# Altium PCB HTBBMSALL4G.PcbDoc (part 1 of 4) (continued)
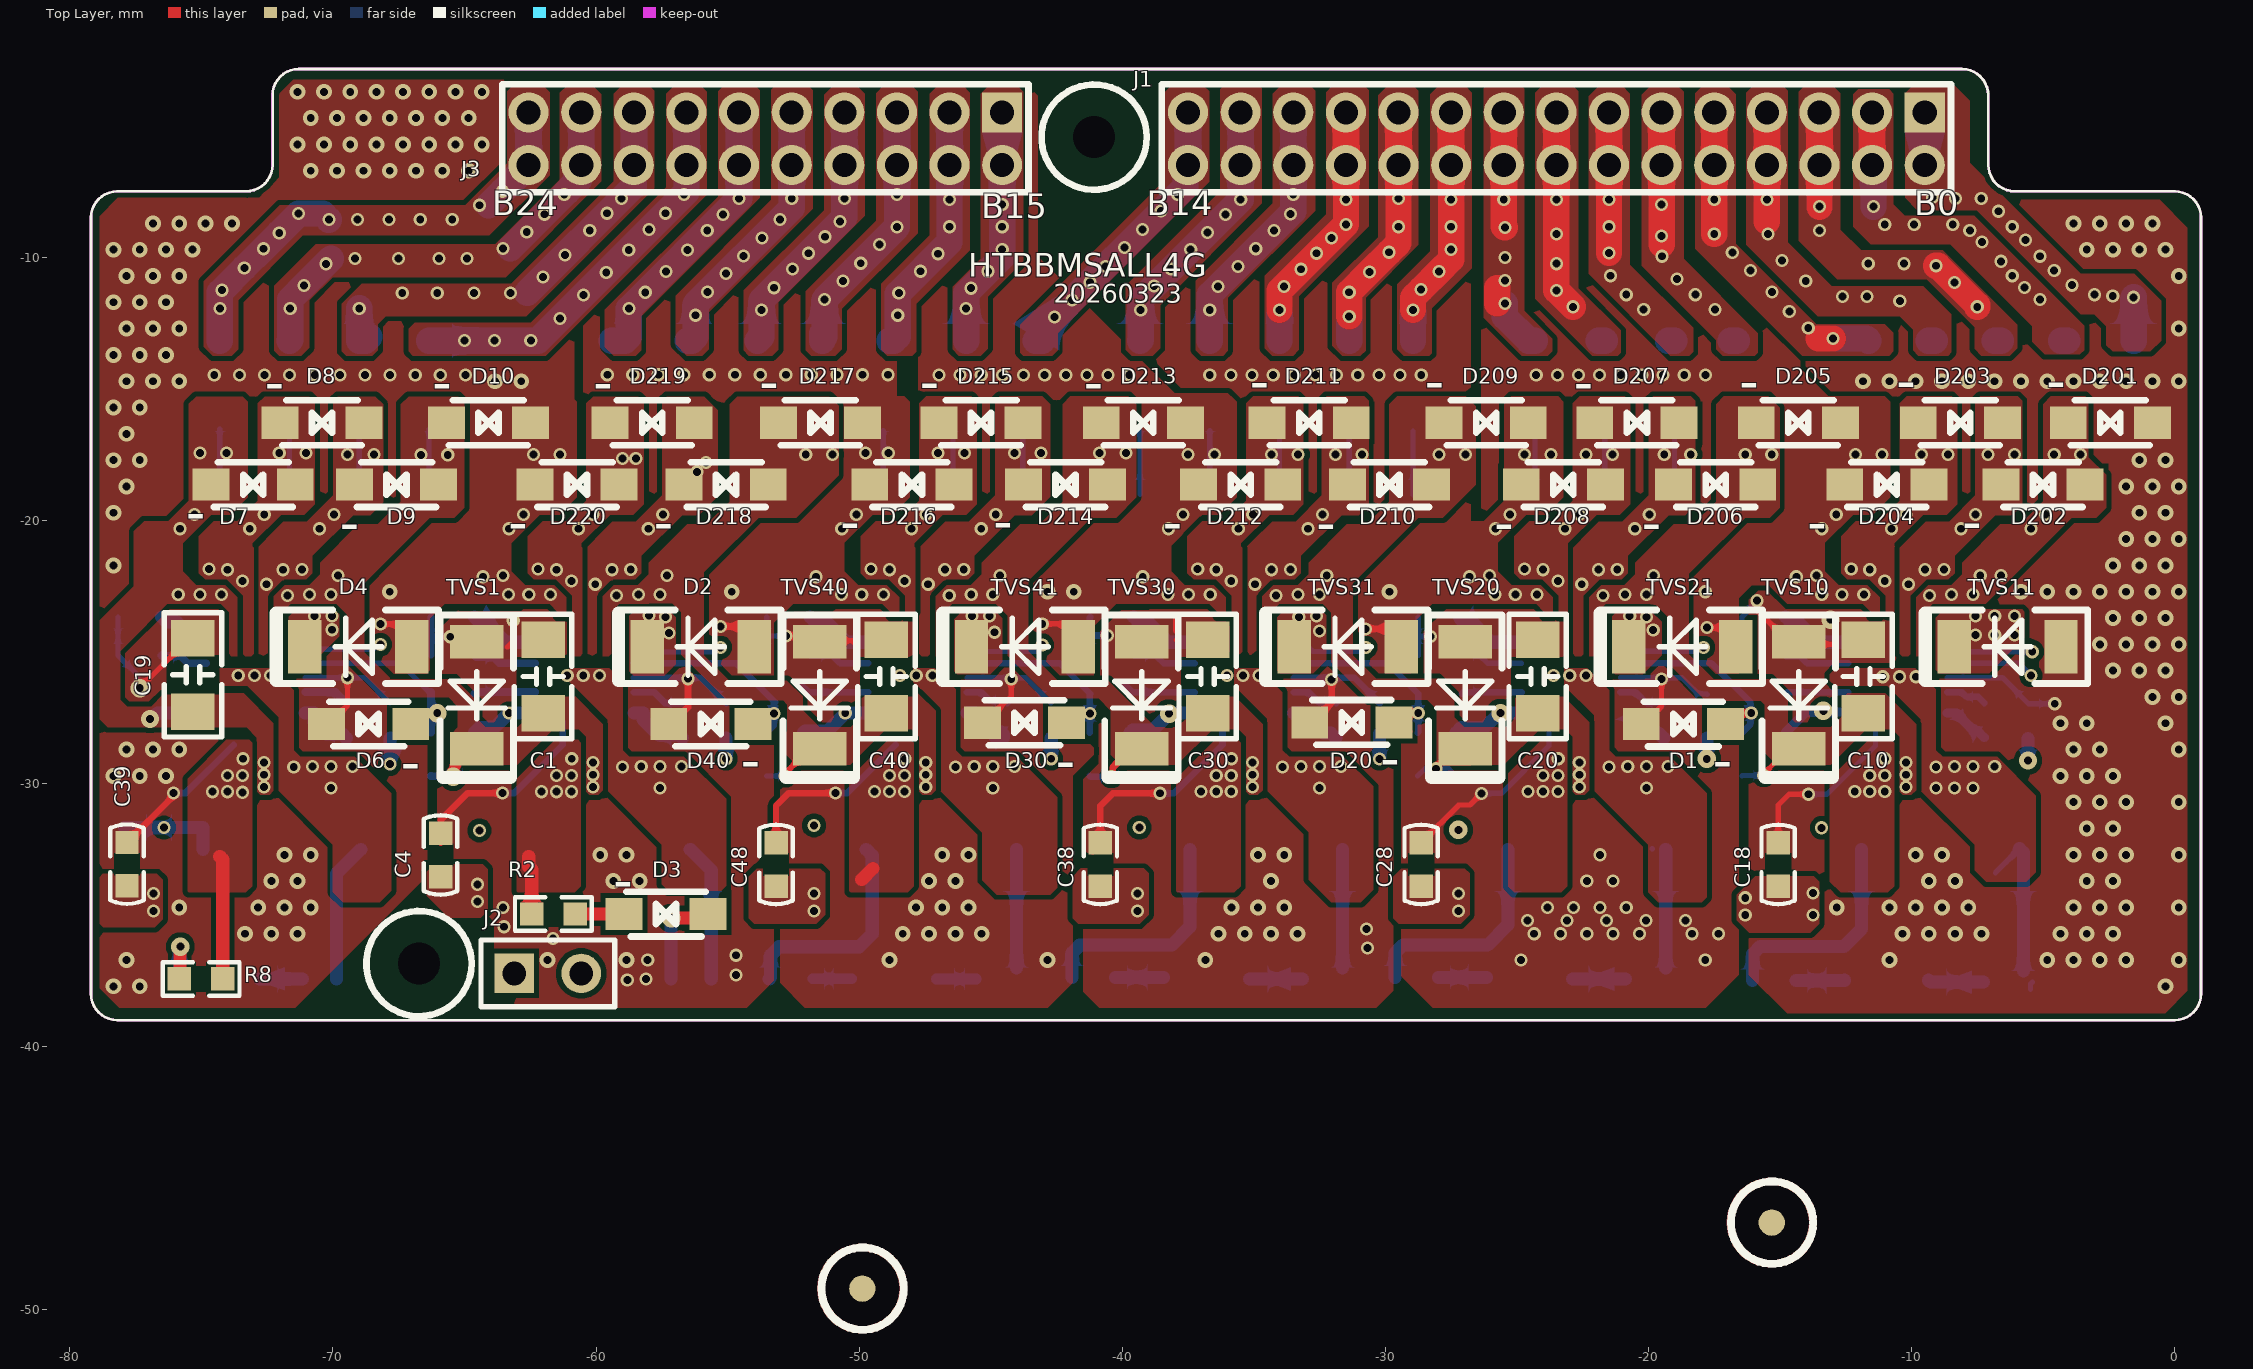
[diagram p0: Top Layer view]
## Components (designator, comment, footprint, x,y, rotation, side; value= is the part's Value field where it differs from the comment)
C1 "4.7uF/50V C1206" C1206#1 -62.012,-24.546 r270 top
C2 "10uF/16V  C0805" C0805 -61.642,-21.053 r90 bottom
C3 "100nF/50V C0603" C0603#1 -55.059,-28.285 r180 bottom
C4 "1nF/50V C0603" C0603#1 -65.91,-31.898 r270 top
C5 "10uF/16V  C0805" C0805 -58.992,-21.053 r90 bottom
C6 "10uF/16V  C0805" C0805 -56.342,-21.053 r90 bottom
C7 "10uF/16V  C0805" C0805 -53.9,-21.053 r90 bottom
C8 "1uF/25V C0603" C0603#2 -55.059,-26.949 r180 bottom
C9 "10uF/16V  C0805" C0805 -51.734,-21.053 r90 bottom
C10 "4.7uF/50V C1206" C1206#2 -11.833,-24.546 r270 top
C11 "10uF/16V C0805" C0805 -3.86,-21.053 r90 bottom
C12 "10uF/16V C0805" C0805 -6.561,-21.053 r90 bottom
C13 "10uF/16V C0805" C0805 -9.211,-21.053 r90 bottom
C14 "10uF/16V C0805" C0805 -11.861,-21.053 r90 bottom
C15 "10uF/16V C0805" C0805 -14.511,-21.053 r90 bottom
C16 "1uF/25V C0603" C0603#1 -5.585,-26.949 r180 bottom
C17 "100nF/50V C0603" C0603#1 -5.585,-28.285 r180 bottom
C18 "1nF/50V C0603" C0603#1 -15.069,-32.257 r270 top
C19 "4.7uF/50V C1206" C1206#1 -75.322,-24.482 r270 top
C20 "4.7uF/50V C1206" C1206#1 -24.211,-24.546 r270 top
C21 "10uF/16V  C0805" C0805 -16.639,-21.053 r90 bottom
C22 "10uF/16V  C0805" C0805 -19.013,-21.053 r90 bottom
C23 "10uF/16V  C0805" C0805 -21.663,-21.053 r90 bottom
C24 "10uF/16V  C0805" C0805 -24.313,-21.053 r90 bottom
C25 "10uF/16V  C0805" C0805 -26.963,-21.053 r90 bottom
C26 "1uF/25V C0603" C0603#1 -17.769,-26.949 r180 bottom
C27 "100nF/50V C0603" C0603#1 -17.769,-28.285 r180 bottom
C28 "1nF/50V C0603" C0603#1 -28.64,-32.257 r270 top
C29 "10uF/16V  C0805" C0805 -74.3,-21 r90 bottom
C30 "4.7uF/50V C1206" C1206#1 -36.754,-24.546 r270 top
C31 "10uF/16V  C0805" C0805 -28.97,-21.053 r90 bottom
C32 "10uF/16V  C0805" C0805 -31.376,-21.053 r90 bottom
C33 "10uF/16V  C0805" C0805 -34.026,-21.053 r90 bottom
C34 "10uF/16V  C0805" C0805 -36.676,-21.053 r90 bottom
C35 "10uF/16V  C0805" C0805 -39.326,-21.053 r90 bottom
C36 "1uF/25V C0603" C0603#1 -30.22,-26.949 r180 bottom
C37 "100nF/50V C0603" C0603#1 -30.22,-28.285 r180 bottom
C38 "1nF/50V C0603" C0603#1 -40.833,-32.255 r270 top
C39 "1nF/50V C0603" C0603#1 -77.828,-32.25 r270 top
C40 "4.7uF/50V C1206" C1206#1 -48.966,-24.546 r270 top
C41 "10uF/16V  C0805" C0805 -41.335,-21.053 r90 bottom
C42 "10uF/16V  C0805" C0805 -43.784,-21.053 r90 bottom
C43 "10uF/16V  C0805" C0805 -46.434,-21.053 r90 bottom
C44 "10uF/16V  C0805" C0805 -49.084,-21.053 r90 bottom
C45 "10uF/16V  C0805" C0805 -71.65,-21 r90 bottom
C46 "1uF/25V C0603" C0603#2 -42.721,-26.949 r180 bottom
C47 "100nF/50V C0603" C0603#1 -42.721,-28.285 r180 bottom
C48 "1nF/50V C0603" C0603#1 -53.159,-32.257 r270 top
C49 "100nF/50V C0603" C0603#1 -67.837,-28.285 r180 bottom
C50 "10uF/16V  C0805" C0805 -69,-21 r90 bottom
C51 "10uF/16V  C0805" C0805 -66.35,-21 r90 bottom
C52 "1uF/25V C0603" C0603#1 -67.837,-26.949 r180 bottom
C53 "10uF/16V  C0805" C0805 -64.292,-21 r90 bottom
D1 "B0540W-7-F" SOD-123FL -18.839,-28.456 r0 top
D2 "SMAFJ20CA" SMAF/DO-214AD -56.022,-24.809 r0 top
D3 "B0540W-7-F" SOD-123FL -57.508,-35.675 r0 top
D4 "SMAFJ20CA" SMAF/DO-214AD -69.037,-24.809 r0 top
D5 "B0540W-7-F" SOD-123FL -74.559,-36.733 r0 bottom
D6 "B0540W-7-F" SOD-123FL -68.813,-28.452 r0 top
D7 "1N5819HW-7-F" SOD-123FL -72.868,-17.942 r180 top
D8 "1N5819HW-7-F" SOD-123FL -70.251,-15.59 r180 top
D9 "1N5819HW-7-F" SOD-123FL -67.419,-17.942 r180 top
D10 "1N5819HW-7-F" SOD-123FL -63.925,-15.59 r180 top
D11 "B0540W-7-F" SOD-123FL -11.122,-36.78 r0 bottom
D20 "B0540W-7-F" SOD-123FL -31.444,-28.391 r0 top
D21 "B0540W-7-F" SOD-123FL -24.722,-36.669 r0 bottom
D30 "B0540W-7-F" SOD-123FL -43.883,-28.404 r0 top
D31 "B0540W-7-F" SOD-123FL -36.923,-36.718 r0 bottom
D40 "B0540W-7-F" SOD-123FL -55.804,-28.452 r0 top
D41 "B0540W-7-F" SOD-123FL -48.851,-36.718 r0 bottom
D201 "1N5819HW-7-F" SOD-123FL -2.28,-15.59 r180 top
D202 "1N5819HW-7-F" SOD-123FL -4.836,-17.942 r180 top
D203 "1N5819HW-7-F" SOD-123FL -7.98,-15.59 r180 top
D204 "1N5819HW-7-F" SOD-123FL -10.773,-17.942 r180 top
D205 "1N5819HW-7-F" SOD-123FL -14.136,-15.59 r180 top
D206 "1N5819HW-7-F" SOD-123FL -17.278,-17.942 r180 top
D207 "1N5819HW-7-F" SOD-123FL -20.273,-15.59 r180 top
D208 "1N5819HW-7-F" SOD-123FL -23.071,-17.942 r180 top
D209 "1N5819HW-7-F" SOD-123FL -26,-15.59 r180 top
D210 "1N5819HW-7-F" SOD-123FL -29.678,-17.942 r180 top
D211 "1N5819HW-7-F" SOD-123FL -32.732,-15.59 r180 top
D212 "1N5819HW-7-F" SOD-123FL -35.333,-17.942 r180 top
D213 "1N5819HW-7-F" SOD-123FL -39.034,-15.59 r180 top
D214 "1N5819HW-7-F" SOD-123FL -41.991,-17.942 r180 top
D215 "1N5819HW-7-F" SOD-123FL -45.203,-15.59 r180 top
D216 "1N5819HW-7-F" SOD-123FL -47.829,-17.942 r180 top
D217 "1N5819HW-7-F" SOD-123FL -51.306,-15.59 r180 top
D218 "1N5819HW-7-F" SOD-123FL -54.893,-17.942 r180 top
D219 "1N5819HW-7-F" SOD-123FL -57.702,-15.59 r180 top
D220 "1N5819HW-7-F" SOD-123FL -60.557,-17.942 r180 top
F0 "0458008.DR" F1206#1 -1.561,-14.571 r270 bottom
F1 "0458008.DR" F1206#1 -4.08,-14.571 r270 bottom
F2 "0458008.DR" F1206#1 -6.598,-14.571 r270 bottom
F3 "0458008.DR" F1206#1 -9.117,-14.571 r270 bottom
F4 "0458008.DR" F1206#1 -11.635,-14.571 r270 bottom
F5 "0458008.DR" F1206#2 -16.639,-14.571 r270 bottom
F6 "0458008.DR" F1206#2 -19.013,-14.571 r270 bottom
F7 "0458008.DR" F1206#2 -21.663,-14.571 r270 bottom
F8 "0458008.DR" F1206#2 -24.313,-14.571 r270 bottom
F9 "0458008.DR" F1206#2 -28.953,-14.571 r270 bottom
F10 "0458008.DR" F1206#2 -31.376,-14.571 r270 bottom
F11 "0458008.DR" F1206#2 -34.026,-14.571 r270 bottom
F12 "0458008.DR" F1206#2 -36.676,-14.571 r270 bottom
F13 "0458008.DR" F1206#2 -39.326,-14.571 r270 bottom
F14 "0458008.DR" F1206#2 -43.284,-14.571 r270 bottom
F15 "0458008.DR" F1206#2 -45.934,-14.571 r270 bottom
F16 "0458008.DR" F1206#2 -48.584,-14.571 r270 bottom
F17 "0458008.DR" F1206#2 -51.4,-14.571 r270 bottom
F18 "0458008.DR" F1206#2 -53.842,-14.571 r270 bottom
F19 "0458008.DR" F1206#2 -56.492,-14.571 r270 bottom
F20 "0458008.DR" F1206#2 -59.142,-14.571 r270 bottom
F21 "0458008.DR" F1206#2 -74.3,-14.571 r270 bottom
F22 "0458008.DR" F1206#2 -71.65,-14.571 r270 bottom
F23 "0458008.DR" F1206#2 -69,-14.571 r270 bottom
F24 "0458008.DR" F1206#2 -66.35,-14.571 r270 bottom
J1 "Pin HDR2X15" PH2.0-15*2 -23.5,-5.5 r180 top
J2 "Header 2" HDR1X2 -63.105,-37.226 r0 top
J3 "Pin HDR2X10" PH2.0-10*2 -53.564,-5.5 r180 top
L1 "4.7uH" L7*6.6 -8.9,-32.515 r180 bottom
L2 "4.7uH" L7*6.6 -22.345,-32.515 r180 bottom
L3 "4.7uH" L7*6.6 -34.431,-32.514 r180 bottom
L4 "4.7uH" L7*6.6 -46.739,-32.514 r180 bottom
L5 "4.7uH" L7*6.6 -59.418,-32.515 r180 bottom
L6 "4.7uH" L7*6.6 -71.941,-32.514 r180 bottom
LED1 "XL-1608SURC-06" LED0603R -57.147,-37.439 r0 bottom
LED2 "XL-1608SURC-06" LED0603R -71.397,-37.434 r0 bottom
LED11 "XL-1608SURC-06" LED0603R -7.276,-37.558 r0 bottom
LED12 "XL-1608SURC-06" LED0603R -20.869,-37.439 r0 bottom
LED13 "XL-1608SURC-06" LED0603R -33.149,-37.439 r0 bottom
LED14 "XL-1608SURC-06" LED0603R -45.542,-37.439 r0 bottom
R1 "1ΩR1206 1%" 1206 -65.864,-34.036 r90 bottom
R2 "4.7KR0603 5%" 0603 -62.447,-34.97 r0 top
R3 "221K" 0603 -64.625,-25.139 r180 bottom
R4 "3.9k R0603 5%" 0603 -53.516,-28.071 r270 bottom
R5 "10k R0603 5%" 0603 -53.515,-26.598 r0 bottom
R6 "2.2K R0603 5%" 0603 -52.107,-29.722 r90 bottom
R7 "1ΩR1206 1%" 1206 -77.913,-34.477 r90 bottom
R8 "4.7KR0603 5%" 0603 -74.188,-37.434 r180 top
R9 "274K" 0603 -76.518,-25.139 r180 bottom
R10 "1K R0603 5%" 0603 -14.792,-23.679 r180 bottom
R11 "0ΩR0603 5%" 0603 -14.792,-25.139 r180 bottom
R12 "10k  R0603 5%" 0603 -16.443,-26.598 r0 bottom
R13 "2.2K R0603 5%" 0603 -14.792,-29.722 r90 bottom
R14 "1K R0603 5%" 0603 -76.518,-23.68 r180 bottom
R15 "4.7KR0603 5%" 0603 -16.044,-37.502 r0 bottom
R16 "1ΩR1206 1%" 1206 -15.069,-34.486 r90 bottom
R17 "3.9k R0603 5%" 0603 -66.276,-28.071 r270 bottom
R18 "2.2K R0603 5%" 0603 -64.625,-29.722 r90 bottom
R19 "10k R0603 5%" 0603 -66.276,-26.598 r0 bottom
R20 "1K R0603 5%" 0603 -27.098,-23.679 r180 bottom
R21 "71.5K  R06031%" 0603 -27.098,-25.139 r180 bottom
R22 "10k  R0603 5%" 0603 -28.749,-26.598 r0 bottom
R23 "2.2K R0603 5%" 0603 -27.312,-29.722 r90 bottom
R24 "3.9k R0603 5%" 0603 -16.443,-28.071 r270 bottom
R25 "4.7KR0603 5%" 0603 -29.629,-37.375 r0 bottom
R26 "1ΩR1206 1%" 1206 -28.64,-34.486 r90 bottom
R30 "1K R0603 5%" 0603 -39.563,-23.679 r180 bottom
R31 "121K R0603 1%" 0603 -39.563,-25.139 r180 bottom
R32 "10k R0603 5%" 0603 -41.214,-26.598 r0 bottom
R33 "2.2K R0603 5%" 0603 -39.702,-29.722 r90 bottom
R34 "3.9k R0603 5%" 0603 -28.775,-28.071 r270 bottom
R35 "4.7KR0603 5%" 0603 -41.909,-37.375 r0 bottom
R36 "1ΩR1206 1%" 1206 -40.83,-34.483 r90 bottom
R40 "1K R0603 5%" 0603 -51.864,-23.679 r180 bottom
R41 "174K R0603 1%" 0603 -51.864,-25.139 r180 bottom
R44 "3.9k R0603 5%" 0603 -41.229,-28.071 r270 bottom
R45 "4.7KR0603 5%" 0603 -53.42,-37.432 r0 bottom
R46 "1ΩR1206 1%" 1206 -53.135,-34.486 r90 bottom
R50 "1K R0603 5%" 0603 -64.625,-23.679 r180 bottom
TVS1 "30V" SMAF/DO-214AD -64.535,-26.654 r90 top
TVS10 "30V" SMAF/DO-214AD -14.286,-26.654 r90 top
TVS11 "24V" SMAF/DO-214AD -6.351,-24.809 r0 top
TVS20 "30V" SMAF/DO-214AD -26.961,-26.654 r90 top
TVS21 "24V" SMAF/DO-214AD -18.713,-24.809 r0 top
TVS30 "30V" SMAF/DO-214AD -39.264,-26.654 r90 top
TVS31 "24V" SMAF/DO-214AD -31.431,-24.81 r0 top
TVS40 "30V" SMAF/DO-214AD -51.499,-26.654 r90 top
TVS41 "24V" SMAF/DO-214AD -43.699,-24.809 r0 top
U1 "MPQ2645GRE-AEC1" QFN19_4x4 -10.524,-25.984 r90 bottom locked
U2 "MPQ2645GRE-AEC1" QFN19_4x4 -22.944,-25.984 r90 bottom locked
U3 "MPQ2645GRE-AEC1" QFN19_4x4 -35.365,-25.984 r90 bottom locked
U4 "MPQ2645GRE-AEC1" QFN19_4x4 -47.785,-25.984 r90 bottom
U5 "MPQ2645GRE-AEC1" QFN19_4x4 -60.44,-25.985 r90 bottom
U6 "MPQ2645GRE-AEC1" QFN19_4x4 -72.94,-25.985 r90 bottom
? "Comment" MARK -15.314,-46.698 r0 top
? "Comment" MARK -49.881,-49.207 r0 top

## Footprints (in the part's own frame and the unit in brackets; to place one, negate y for a bottom-side part, rotate by r counter-clockwise, add the part's x,y. Pads: shape width x height; smd on the part's side, far side on the other; paste and mask are expansions set on the pad)
0603 [mil]
  rect 35x35 smd: 1(0,0) 2(65,0)
  Top Layer pour cut-out: 15,20 50,20 50,-20 15,-20
  silkscreen extent -25,-25 90,25, body extent 0,-16 66,16, height 22
1206 [mil]
  rect 55x65 smd: 1(0,0) 2(110,0)
  Top Layer pour cut-out: 25,40 85,40 85,-40 25,-40
  silkscreen extent -38,-45 148,45, body extent -11,-34 121,34, height 33
C0603#1 [mil]
  rect 35x35 smd: 1(0,0) 2(65,0)
  Top Layer pour cut-out: 15,20 50,20 50,-20 15,-20
  silkscreen extent -27,-25 92,25, body extent -7,-15 71,16, height 31
C0603#2 [mil]
  rect 35x35 smd: 1(0,0) 2(65,0)
  silkscreen extent -27,-25 92,25, body extent -7,-15 71,16, height 31
C0805 [mil]
  rect 45x52 smd: 1(0,0) 2(80,0)
  silkscreen extent -39,-35 118,35, body extent -9,-24 89,25, height 31
C1206#1 [mil] "Chip Capacitor"
  rect 55x65 smd: 1(0,0) 2(110,0)
  Top Layer pour cut-out: 25,40 85,40 85,-40 25,-40
  silkscreen extent -38,-43 148,43, body extent -8,-31 118,31, height 39
C1206#2 [mil] "Chip Capacitor"
  rect 55x65 smd: 1(0,0) 2(110,0)
  silkscreen extent -38,-43 148,43, body extent -8,-31 118,31, height 39
F1206#1 [mil] "1060mil"
  rect 51.18x70 smd: 1(-55,0) 2(55,0)
  silkscreen extent -88,-45 89,45, body extent -63,-33 63,33, height 22
F1206#2 [mil] "1060mil"
  rect 51.18x70 smd: 1(-55,0) 2(55,0)
  Top Layer pour cut-out: -30,40 30,40 30,-40 -30,-40
  silkscreen extent -88,-45 89,45, body extent -63,-33 63,33, height 22
HDR1X2 [mm] "Connector; Header; 2 Position"
  rect 1.5x1.5 hole 0.9: 1(0,0)
  round 1.5 hole 0.9: 2(2.54,0)
  silkscreen extent -1.27,-1.27 3.81,1.27
L7*6.6 [mm]
  rect 2.4x3.2 smd paste+0.051: 1(-3,0) 2(3,0)
  silkscreen extent -3.5,-3.3 3.5,3.3
LED0603R [mil]
  rect 35x35 smd: 1(0,0) 2(60,0)
  Top Layer pour cut-out: 15,20 45,20 45,-20 15,-20
  silkscreen extent -25,-25 90,25, body extent -3,-18 63,18, height 35
MARK [mm]
  round 1 smd mask+0.9: 1(0,0)
  round 1 smd far side mask+0.9: 1(0,0)
  Top Layer lines w0.3: -1.565,0 cw(c0,0) 1.565,0 cw(c0,0) -1.565,0
  Bottom Layer lines w0.3: -1.565,0 cw(c0,0) 1.565,0 cw(c0,0) -1.565,0
  silkscreen extent -1.56,-1.56 1.57,1.56
PH2.0-10*2 [mil]
  rect 60x60 hole 36: 1(-354.33,-39.37)
  round 60 hole 36: 2(-354.33,39.37) 3(-275.59,-39.37) 4(-275.59,39.37) 5(-196.85,-39.37) 6(-196.85,39.37) 7(-118.11,-39.37) 8(-118.11,39.37) 9(-39.37,-39.37) 10(-39.37,39.37) 11(39.37,-39.37) 12(39.37,39.37) 13(118.11,-39.37) 14(118.11,39.37) 15(196.85,-39.37) 16(196.85,39.37) 17(275.59,-39.37) 18(275.59,39.37) 19(354.33,-39.37) 20(354.33,39.37)
  silkscreen extent -394,-82 394,80
PH2.0-15*2 [mil]
  rect 60x60 hole 36: 1(-551.18,-39.37)
  round 60 hole 36: 2(-551.18,39.37) 3(-472.44,-39.37) 4(-472.44,39.37) 5(-393.7,-39.37) 6(-393.7,39.37) 7(-314.96,-39.37) 8(-314.96,39.37) 9(-236.22,-39.37) 10(-236.22,39.37) 11(-157.48,-39.37) 12(-157.48,39.37) 13(-78.74,-39.37) 14(-78.74,39.37) 15(0,-39.37) 16(0,39.37) 17(78.74,-39.37) 18(78.74,39.37) 19(157.48,-39.37) 20(157.48,39.37) 21(236.22,-39.37) 22(236.22,39.37) 23(314.96,-39.37) 24(314.96,39.37) 25(393.7,-39.37) 26(393.7,39.37) 27(472.44,-39.37) 28(472.44,39.37) 29(551.18,-39.37) 30(551.18,39.37)
  silkscreen extent -591,-82 591,80
QFN19_4x4 [mm]
  rrect50% 0.5x1.2 smd: 1(1.346,-1.88) 6(1.346,1.88) 10(-1.346,1.88) 15(-1.346,-1.88)
  rrect50% 1.2x0.35 smd: 1(1.93,-1.448) 6(1.93,1.448) 10(-1.93,1.448) 15(-1.93,-1.448)
  rrect50% 1.7x0.25 smd: 2(1.676,-0.825) 3(1.676,-0.275) 4(1.676,0.275) 5(1.676,0.825) 11(-1.676,0.825) 12(-1.676,0.275) 13(-1.676,-0.275) 14(-1.676,-0.825)
  rrect50% 0.25x1.2 smd: 7(0.55,1.88) 8(0,1.88) 9(-0.55,1.88) 16(-0.55,-1.88) 17(0,-1.88) 18(0.55,-1.88)
  rrect50% 0.6x1.9 smd: 19(0,0)
  silkscreen extent -2,-2 2,2
SMAF/DO-214AD [mil] "=2010"
  rect 50x80 smd: 1(80,0) 2(-80,0)
  silkscreen extent -123,-55 120,55, body extent -93,-49 93,49, height 39
SOD-123FL [mm]
  rect 1.4x1.219 smd: 1(-1.434,0.706) 2(1.766,0.706)
  silkscreen extent -1.33,-0.14 1.67,1.56, body extent -1.76,-0.14 2.09,1.56, height 1.43

## Part data
C1 C2 C3 C4 C5 C6 C7 C8 C9 C10 C11 C12 C13 C14 C15 C16 C17 C18 C19 C20 C21 C22 C23 C24 C25 C26 C27 C28 C29 C30 C31 C32 C33 C34 C35 C36 C37 C38 C39 C40 C41 C42 C43 C44 C45 C46 C47 C48 C49 C50 C51 C52 C53: library part Cap, "Capacitor"
D1 D3 D5 D6 D11 D20 D21 D30 D31 D40 D41: library part Diode, "Diode"
D2 D4 TVS1 TVS10 TVS11 TVS20 TVS21 TVS30 TVS31 TVS40 TVS41: library part "D UTVS", "Uniderection TVS Diode"
D7 D8 D9 D10 D201 D202 D203 D204 D205 D206 D207 D208 D209 D210 D211 D212 D213 D214 D215 D216 D217 D218 D219 D220: library part "D TVS", "TVS Diode, bidirectional"
F0 F1 F2 F3 F4 F5 F6 F7 F8 F9 F10 F11 F12 F13 F14 F15 F16 F17 F18 F19 F20 F21 F22 F23 F24: library part Fuse, "Fuse", LatestRevisionDate=17-Jul-2002, LatestRevisionNote="Re-released for DXP Platform.", PackageReference=PIN-W2/E2.8, Published=8-Jun-2000, Publisher="Altium Limited"
J2: "Header, 2-Pin", LatestRevisionDate=17-Jul-2002, LatestRevisionNote="Re-released for DXP Platform.", Publisher="Altium Limited"
L1 L2 L3 L4 L5 L6: library part Inductor2, "Inductor Iron"
LED1 LED2 LED11 LED12 LED13 LED14: library part LEDR, "Red LED"
R1 R2 R3 R4 R5 R6 R7 R8 R9 R10 R11 R12 R13 R14 R15 R16 R17 R18 R19 R20 R21 R22 R23 R24 R25 R26 R30 R31 R32 R33 R34 R35 R36 R40 R41 R44 R45 R46 R50: library part Res2, "Resistor"
U1 U2 U3 U4 U5 U6: library part 2645

## Free pads (board coordinates)
  round 1.524 hole 1.6 unplated: 2(-66.731,-36.855) 2(-41.07,-5.441)
  round 1.524 hole 0.762: 8(-37.5,-6.5)

## Via types
v1: diameter 0.5, hole 0.3, Top Layer to Bottom Layer, tented both sides, 551 vias
v2: diameter 0.6, hole 0.3, Top Layer to Bottom Layer, tented both sides, 221 vias
v3: diameter 0.5/0.5/0.5/0.5 (per signal layer), hole 0.3, Top Layer to Bottom Layer, tented both sides, 86 vias
v4: diameter 0.7, hole 0.3, Top Layer to Bottom Layer, tented both sides, 10 vias
v5: diameter 0.7, hole 0.3, Top Layer to Bottom Layer, 3 vias

## Nets (pads, with @x,y where several pads share a name; then routed paths per layer and width w, separated by ;. In a path a pad name is that pad's centre, name@x,y a point inside that pad or via, vN(x,y) a via of type N, cw(c..) or ccw(c..) an arc to the next point about the centre after c; other vN are vias at no path point)
Bt0: F0.1 J1.1 J1.2 | length 3.6
  Bottom Layer w1: J1.2@-9.5,-6.5 J1.1@-9.5,-4.5 ; F0.1@-1.561,-13.174 v1(-1.561,-11.529)
  other v1: -2.355,-11.477 -3.051,-11.428 -3.908,-11.068 -4.579,-10.503 -5.123,-9.969 -5.676,-9.352 -6.173,-8.848 -6.696,-8.257 -8.334,-7.771 -7.353,-7.771 -9.211,-7.738
Bt1: F1.1 J1.3 J1.4 | length 5.9
  Top Layer w1: J1.3@-11.5,-4.5 J1.4@-11.5,-6.5 J1.4@-11.445,-6.555
  Bottom Layer w1: J1.3@-11.5,-4.5 J1.4@-11.5,-6.5 -11.445,-6.555 v1(-11.445,-8.082) ; F1.1@-4.319,-13.174 F1.1@-4.08,-13.174
  other v1: -5.123,-11.607 -5.71,-11.153 -6.173,-10.708 -6.598,-10.16 -7.325,-9.425 -7.786,-8.982 -11.017,-8.755 -9.901,-8.755 -8.435,-8.755
Bt2: F2.1 J1.5 J1.6 | length 7.7
  Top Layer w1: v1(-13.5,-8.082) J1.6@-13.5,-6.5 J1.5@-13.5,-4.5 ; v1(-9.073,-10.329) -9.005,-10.329 -7.505,-11.828 v1(-7.505,-11.89)
  Bottom Layer w1: v1(-13.5,-8.082) J1.6@-13.5,-6.5 ; F2.1@-6.837,-13.174 F2.1@-6.598,-13.174
  other v1: -8.366,-10.967 -11.648,-10.25 -10.283,-10.25 -13.5,-8.982
Bt3: F3.1 J1.7 J1.8 | length 7.7
  Top Layer w1: -15.5,-8.649 J1.7@-15.5,-4.5
  Bottom Layer w1: v1(-15.5,-7.809) J1.8@-15.5,-6.5 J1.7@-15.5,-4.5 ; F3.1@-9.356,-13.174 F3.1@-9.117,-13.174
  other v1: -10.447,-11.672 -12.627,-11.5 -11.694,-11.5 -14.024,-10.907 -14.924,-10.135 -15.463,-9.122
Bt4: F4.1 J1.9 J1.10 | length 7.9
  Top Layer w1: v1(-17.5,-9.122) v1(-17.5,-7.811) J1.9@-17.5,-4.5 ; -13.53,-13.091 v1(-12.988,-13.091)
  Bottom Layer w1: v1(-17.5,-7.811) J1.10@-17.5,-6.5 ; v1(-12.988,-13.091) -11.718,-13.091 F4.1@-11.635,-13.174
  other v1: -13.928,-12.694 -14.647,-12.069 -15.3,-11.321 -16.118,-10.503 -16.813,-9.824
Bt5: F5.1 J1.11 J1.12 | length 6.8
  Top Layer w1: -19.5,-9.508 J1.11@-19.5,-4.5
  Bottom Layer w1: v1(-19.5,-8.004) J1.12@-19.5,-6.5 ; F5.1@-16.878,-13.174 F5.1@-16.639,-13.174
  other v1: -17.474,-11.998 -18.219,-11.428 -18.916,-10.839 -19.483,-9.969 -19.5,-9.204
Bt6: F6.1 J1.13 J1.14 | length 7.1
  Top Layer w1: v1(-21.5,-9.843) J1.13@-21.5,-4.5
  Bottom Layer w1: J1.14@-21.5,-6.066 J1.13@-21.5,-4.5 ; F6.1@-19.252,-13.174 F6.1@-19.013,-13.174
  other v1: -20.182,-11.998 -20.844,-11.428 -21.441,-10.708 -21.5,-8.848 -21.5,-7.809
Bt7: F7.1 J1.15 J1.16 | length 9.5
  Top Layer w1: J1.15@-23.5,-4.5 J1.16@-23.5,-6.5 v1(-23.5,-7.811) v1(-23.5,-9.122) v1(-23.5,-10.25) -23.5,-11.259 v1@-22.869,-11.89
  Bottom Layer w1: J1.16@-23.5,-6.066 J1.15@-23.5,-4.5 ; F7.1@-21.902,-13.174 F7.1@-21.663,-13.174
  other v1: -22.867,-11.89 -23.494,-11.265
Bt8: F8.1 J1.17 J1.18 | length 8.6
  Top Layer w1: -25.745,-11.766 -25.745,-11.174 ; J1.17@-25.5,-4.5 J1.18@-25.5,-6.5 -25.5,-8.833 v1(-25.459,-8.874)
  Bottom Layer w1: J1.18@-25.5,-6.066 J1.17@-25.5,-4.5 ; v1(-25.459,-11.766) -25.459,-12.267 -24.552,-13.174 F8.1@-24.313,-13.174
  other v1: -25.459,-10.888 -25.459,-10.018 -25.5,-7.809
Bt9: F9.1 J1.19 J1.20 | length 12.5
  Top Layer w1: v1(-28.953,-12.01) -28.953,-11.539 v1(-28.64,-11.226) v1(-27.964,-10.549) -27.5,-10.086 v1(-27.5,-8.848) v1(-27.5,-7.809) J1.19@-27.5,-4.5
  Bottom Layer w1: F9.1@-28.953,-13.174 v1(-28.953,-12.01) -28.953,-11.539 v1(-28.64,-11.226) v1(-27.964,-10.549) ; v1(-27.5,-7.809) J1.20@-27.5,-6.5
  other v1: -27.5,-9.709
Bt10: F10.1 J1.21 J1.22 | length 11.6
  Top Layer w1: v1(-31.376,-12.254) v1(-31.376,-11.335) v1(-30.601,-10.561) v1(-29.856,-9.815) -29.5,-9.459 v1(-29.5,-8.848) v1(-29.5,-7.771) J1.21@-29.5,-4.5
  Bottom Layer w1: F10.1@-31.376,-13.174 v1(-31.376,-12.254) v1(-31.376,-11.335) ; v1(-29.5,-7.771) J1.22@-29.5,-6.5
Bt11: F11.1 J1.23 J1.24 | length 12.2
  Top Layer w1: v1(-34.026,-12.01) -34.026,-11.281 v1(-33.207,-10.462) v1(-31.5,-8.755) v1(-31.5,-7.811) J1.23@-31.5,-4.5
  Bottom Layer w1: F11.1@-34.026,-13.174 v1(-34.026,-12.01) ; v1(-33.857,-11.112) v1(-33.207,-10.462) ; v1(-31.5,-7.811) J1.24@-31.5,-6.258
  other v1: -32.613,-9.854 -32.043,-9.268
Bt12: F12.1 J1.25 J1.26 | length 9.8
  Bottom Layer w1: F12.1@-36.676,-13.174 -36.676,-11.428 -33.5,-8.253 J1.26@-33.5,-6.258 ; J1.26@-33.5,-6.066 J1.25@-33.5,-4.5
  other v1: -36.676,-12.01 -36.359,-11.112 -35.606,-10.358 -34.927,-9.68 -34.23,-8.982 -33.606,-8.359 -33.5,-7.616
Bt13: F13.1 J1.27 J1.28 | length 10.1
  Bottom Layer w1: F13.1@-39.326,-13.174 -39.3,-13.149 -39.3,-11.61 v1(-35.5,-7.809) J1.28@-35.5,-6.258 ; J1.28@-35.5,-6.066 J1.27@-35.5,-4.5
  other v1: -39.3,-12.01 -38.79,-11.099 -38.149,-10.458 -37.4,-9.709 -36.758,-9.067 -36.073,-8.382
Bt14: F14.1 J1.29 J1.30 pad.8 | length 11.2
  Bottom Layer w1: F14.1@-43.284,-13.174 -43.045,-13.174 -42.895,-13.024 -42.895,-12.622 -37.6,-7.327 -37.6,-6.6 J1.30@-37.5,-6.5 J1.29@-37.5,-4.5
  other v1: -42.57,-12.278 -41.909,-11.636 -41.229,-10.955 -40.632,-10.358 -39.91,-9.637 -39.227,-8.954 -38.526,-8.253 -37.893,-7.62
Bt15: F15.1 J3.1 J3.2 | length 9.2
  Bottom Layer w1: F15.1@-45.934,-13.174 -45.934,-11.363 -44.564,-9.993 J3.1@-44.564,-4.5
  other v1: -45.934,-11.949 -45.753,-11.182 -45.108,-10.537 -44.564,-9.709 -44.564,-8.848 -44.564,-8.004
Bt16: F16.1 J3.3 J3.4 | length 9.7
  Bottom Layer w1: F16.1@-48.845,-13.174 -48.683,-13.174 -48.533,-13.024 -48.533,-11.398 -46.564,-9.43 J3.3@-46.564,-4.5
  other v1: -48.533,-12.211 -48.493,-11.359 -47.672,-10.537 -47.007,-9.872 -46.564,-8.848 -46.564,-7.809
Bt17: F17.1 J3.5 J3.6 | length 10
  Bottom Layer w1: F17.1@-51.4,-13.174 F17.1@-51.4,-12.917 ; F17.1@-51.4,-13.024 -51.318,-13.024 v1(-51.318,-11.61) v1(-48.564,-8.856) J3.5@-48.564,-4.5
  other v1: -50.615,-10.907 -49.941,-10.233 -49.225,-9.516 -48.564,-7.62
Bt18: F18.1 J3.7 J3.8 | length 12
  Bottom Layer w1: F18.1@-53.864,-13.174 -53.714,-13.024 -53.714,-11.641 v1@-50.564,-8.491 ; J3.8@-50.564,-6.5 v1@-50.564,-8.491 ; J3.7@-50.564,-4.5 v1@-50.564,-8.491
  other v1: -53.714,-12.01 -53.24,-11.167 -52.531,-10.458 -51.927,-9.854 -51.299,-9.226 -50.725,-8.652 -50.564,-7.771
Bt19: F19.1 J3.9 J3.10 | length 10.4
  Bottom Layer w1: F19.1@-56.51,-13.174 -56.368,-13.174 -56.218,-13.024 -56.218,-11.787 -52.564,-8.133 J3.9@-52.564,-4.5
  other v1: -56.218,-12.211 -55.764,-11.333 -55.059,-10.627 -54.391,-9.96 -53.699,-9.268 -53.008,-8.577 -52.564,-7.771
Bt20: F20.1 J3.11 J3.12 | length 11.1
  Bottom Layer w1: F20.1@-59.403,-13.174 -58.903,-13.174 -58.753,-13.024 v1(-58.753,-11.959) v1(-54.564,-7.771) J3.12@-54.564,-6.5 ; J3.12@-54.564,-6.6 J3.11@-54.564,-4.5
  other v1: -58.131,-11.338 -57.34,-10.547 -56.529,-9.735 -55.776,-8.982 -55.175,-8.382
Bt21: F24.1 J3.13 J3.14 | length 15.2
  Bottom Layer w1: F24.1@-66.35,-13.174 -62.208,-13.174 -56.564,-7.53 J3.14@-56.564,-6.5 J3.13@-56.564,-4.5
  other v1: -65.006,-13.174 -63.865,-13.174 -62.48,-13.174 -61.372,-12.338 -60.481,-11.447 -59.615,-10.581 -58.759,-9.725 -57.988,-8.954 -57.367,-8.333 -56.652,-7.618
Bt22: F23.1 J3.15 J3.16 | length 10.2
  Bottom Layer w1: v1(-69,-11.949) F23.1@-69,-13.174 -68.761,-13.174 F23.1@-68.611,-13.024 ; -62.622,-11.363 -58.564,-7.305 J3.15@-58.564,-4.5
  other v1: -67.366,-11.363 -66.039,-11.363 -64.646,-11.363 -63.258,-11.363 -62.016,-10.757 -61.185,-9.926 -60.241,-8.982 -59.592,-8.333 -59.03,-7.771
Bt23: F22.1 J3.17 J3.18 | length 10.1
  Bottom Layer w1: F22.1@-71.65,-13.174 -71.626,-13.15 -71.626,-11.61 v1(-71.1,-11.083) -70.074,-10.058 ; -63.258,-9.669 v1(-62.633,-9.044) v1(-61.961,-8.372) v1(-61.209,-7.62) -60.664,-7.075 -60.664,-6.6 J3.18@-60.564,-6.5 J3.17@-60.564,-4.5
  other v1: -71.626,-11.949 -70.272,-10.255 -69.163,-10.058 -67.516,-10.058 -65.974,-10.058 -64.903,-10.058 -63.535,-9.669
Bt24: F21.1 J3.19 J3.20 | length 11.5
  Bottom Layer w1: F21.1@-74.3,-13.174 -74.3,-11.339 v1(-74.218,-11.258) v1(-73.37,-10.409) v1(-72.644,-9.684) v1(-72.041,-9.08) v1(-71.306,-8.345) -70.388,-8.345 v1(-70.157,-8.577) ; -64.092,-8.028 v1(-63.561,-7.497) J3.20@-62.564,-6.5 J3.19@-62.564,-4.5
  other v1: -74.3,-11.949 -69.063,-8.577 -67.873,-8.577 -66.682,-8.577 -65.467,-8.577 -64.437,-8.028
CTRL2645: J2.2 U1.7 | length 77.2
  SIG03 w0.2: J2.2@-60.565,-37.226 -59.71,-38.081 -2.306,-38.081 -1.218,-36.993 -1.218,-28.793 -4.108,-25.903 v1(-5.465,-25.903)
  Bottom Layer w0.2: U1.7@-8.644,-25.434 -5.935,-25.434 v1(-5.465,-25.903)
GND: C10.1 C11.1 C16.1 C18.1 D201.1 F0.2 R10.2 R11.2 TVS10.1 TVS11.1 U1.8 U1.14 | length 21.4
  Top Layer w0.2: v1(-15.874,-23.059) -15.863,-23.07 -15.863,-23.426 -14.571,-24.718 -12.906,-24.718 ; C18.1@-15.069,-32.257 -15.069,-30.825 -14.66,-30.415 v1(-13.918,-30.415)
  SIG03 w0.2: v1(-15.874,-23.059) -15.283,-23.65 -15.283,-23.875 -14.749,-24.409 -13.71,-24.409 v5(-13.08,-23.779)
  Bottom Layer w0.2: R11.2@-16.443,-25.139 R10.2@-16.443,-23.679 -15.874,-23.11 v1(-15.874,-23.059) ; v1(-13.918,-30.415) -13.215,-30.415 -11.374,-28.574 -11.374,-27.685 U1.14@-11.349,-27.66 ; U1.8@-8.644,-25.984 -6.55,-25.984 C16.1@-5.585,-26.949 -5.556,-26.978 v1(-4.56,-26.978)
  other v2: -0.344,-37.718 -10.844,-36.718 -4.844,-36.718 -3.844,-36.718 -2.844,-36.718 -1.844,-36.718 0.156,-36.718 -10.344,-35.718 -9.344,-35.718 -8.344,-35.718 -7.344,-35.718 -4.344,-35.718 -3.344,-35.718 -2.344,-35.718 -12.844,-34.718 -10.844,-34.718 -9.844,-34.718 -8.844,-34.718 -7.844,-34.718 -3.844,-34.718 -2.844,-34.718 -1.844,-34.718 0.156,-34.718 -9.344,-33.718 -8.344,-33.718 -3.344,-33.718 -2.344,-33.718 -9.844,-32.718 -8.844,-32.718 -3.844,-32.718 -2.844,-32.718 -1.844,-32.718 0.156,-32.718 -3.344,-31.718 -2.344,-31.718 -3.844,-30.718 -2.844,-30.718 -1.844,-30.718 0.156,-30.718 -4.344,-29.718 -3.344,-29.718 -2.344,-29.718 -3.844,-28.718 -2.844,-28.718 0.156,-28.718 -4.344,-27.718 -3.344,-27.718 -0.344,-27.718 -0.844,-26.718 0.156,-26.718 -2.344,-25.718 -1.344,-25.718 -0.344,-25.718 -2.844,-24.718 -1.844,-24.718 -0.844,-24.718 0.156,-24.718 -2.344,-23.718 -1.344,-23.718 -0.344,-23.718 -5.844,-22.718 -4.844,-22.718 -3.844,-22.718 -2.844,-22.718 -1.844,-22.718 -0.844,-22.718 0.156,-22.718 -2.344,-21.718 -1.344,-21.718 -0.344,-21.718 -1.844,-20.718 -0.844,-20.718 0.156,-20.718 -1.344,-19.718 -0.344,-19.718 -1.844,-18.718 -0.844,-18.718 0.156,-18.718 -1.344,-17.718 -0.344,-17.718 -11.844,-14.718 -10.844,-14.718 -9.844,-14.718 -8.844,-14.718 -7.844,-14.718 -6.844,-14.718 -5.844,-14.718 -4.844,-14.718 -3.844,-14.718 -2.844,-14.718 -1.844,-14.718 -0.844,-14.718 0.156,-14.718 0.156,-12.718 0.156,-10.718 -3.344,-9.718 -2.344,-9.718 -1.344,-9.718 -0.344,-9.718 -3.844,-8.718 -2.844,-8.718 -1.844,-8.718 -0.844,-8.718
N1: C11.2 C12.1 D201.2 D202.1 F1.2 U1.5
  other v1: -9.314,-22.857 -8.477,-22.818 -7.66,-22.818 -7.388,-22.099 -6.598,-22.104
  other v3: -5.465,-20.325 -4.914,-19.783 -4.579,-17.508 -3.582,-17.508
N2: C12.2 C13.1 D202.2 D203.1 F2.2 U1.4
  other v1: -10.116,-22.434 -9.483,-21.881 -8.765,-21.873
  other v3: -8.115,-20.325 -7.564,-19.783 -7.093,-17.508 -6.083,-17.508
N3: C13.2 C14.1 D203.2 D204.1 F3.2 U1.3
  other v1: -11.017,-22.307 -11.589,-21.881 -12.293,-21.855
  other v3: -10.765,-20.325 -10.214,-19.783 -9.621,-17.508 -8.611,-17.508
N4: C14.2 C15.1 C20.1 C21.1 C26.1 C28.1 D1.1 D204.2 D205.1 F4.2 R20.2 R21.2 TVS11.2 TVS20.1 TVS21.1 U1.2 U2.8 U2.14 | length 19.6
  Top Layer w0.2: C28.1@-28.64,-32.257 -27.208,-30.825 -26.79,-30.825 v1(-26.349,-30.383) ; D1.1@-20.273,-27.75 -20.182,-27.75 -19.5,-27.068 v1(-19.5,-26.032) ; v1(-17.778,-24.084) -17.216,-24.084 -16.681,-24.619 TVS21.1@-16.681,-24.809
  SIG03 w0.2: v1(-19.5,-26.032) -19.5,-24.978 -18.607,-24.084 v1(-17.778,-24.084) v1@-17.835,-24.027
  Bottom Layer w0.2: R20.2@-28.761,-23.691 R20.2@-28.749,-23.679 -28.749,-24.409 ; R21.2@-28.749,-25.139 -28.749,-24.409 ; v1(-28.279,-24.425) -28.733,-24.425 -28.749,-24.409 ; v1(-26.349,-30.383) -25.587,-30.383 -23.777,-28.574 -23.777,-27.669 U2.14@-23.769,-27.66 ; U2.8@-21.065,-25.984 -18.734,-25.984 -18.114,-26.604 -17.786,-26.604 C26.1@-17.769,-26.621
  other v1: -24.844,-36.718 -17.844,-36.718 -17.844,-36.718 -24.344,-35.718 -23.344,-35.718 -22.344,-35.718 -21.344,-35.718 -20.344,-35.718 -18.344,-35.718 -17.344,-35.718 -24.594,-35.218 -23.094,-35.218 -21.594,-35.218 -20.094,-35.218 -18.594,-35.218 -23.844,-34.718 -22.844,-34.718 -21.844,-34.718 -20.844,-34.718 -22.344,-33.718 -21.344,-33.718 -21.844,-32.718 -7.564,-24.368 -6.841,-24.368 -6.083,-24.368 -7.564,-23.647 -6.841,-23.647 -6.083,-23.647 -13.415,-22.818 -12.641,-22.821 -11.815,-22.821 -17.844,-22.718 -14.38,-22.147 -13.618,-22.102 -24.268,-14.486 -23.464,-14.486 -22.66,-14.486 -21.856,-14.486 -21.052,-14.486 -20.249,-14.486 -19.445,-14.486 -18.641,-14.486 -17.837,-14.486
  other v3: -13.415,-20.325 -12.864,-19.783 -12.137,-17.508 -11.127,-17.508
N5: C10.2 C15.2 C21.2 C22.1 D205.2 D206.1 F5.2 R13.1 R24.2 TVS10.2 U1.12 U2.5 | length 3.4
  Top Layer w0.2: v1(-15.618,-29.704) -15.618,-29.637 -14.667,-28.686 TVS10.2@-14.286,-28.686
  Bottom Layer w0.2: R24.2@-16.443,-29.722 -16.426,-29.704 v1(-15.618,-29.704) ; v1@-15.599,-29.722 -15.581,-29.704 -14.811,-29.704 R13.1@-14.792,-29.722
  other v1: -10.208,-30.14 -10.208,-29.675 -10.208,-29.209 -21.734,-22.857 -20.898,-22.818 -20.08,-22.818 -19.808,-22.099
  other v3: -16.323,-17.508 -15.313,-17.508
N6: C22.2 C23.1 D206.2 D207.1 F6.2 U2.4 | length 2.4
  Bottom Layer w0.2: C22.2@-19.013,-19.021 F6.2@-19.013,-16.598
  other v1: -22.536,-22.434 -21.904,-21.881 -21.185,-21.873
  other v3: -20.519,-20.325 -19.968,-19.783 -19.402,-17.508 -18.392,-17.508
N7: C23.2 C24.1 D207.2 D208.1 F7.2 U2.3 | length 2.4
  Bottom Layer w0.2: C23.2@-21.663,-19.021 F7.2@-21.663,-16.598
  other v1: -23.438,-22.307 -24.009,-21.881 -24.713,-21.855
  other v3: -23.169,-20.325 -22.618,-19.783 -22.379,-17.508 -21.369,-17.508
N8: C24.2 C25.1 C30.1 C31.1 C36.1 C38.1 D20.1 D208.2 D209.1 F8.2 R30.2 R31.2 TVS21.2 TVS30.1 TVS31.1 U2.2 U3.8 U3.14 | length 23.6
  Top Layer w0.2: C38.1@-41.124,-32.607 C38.1@-41.1,-32.582 ; -37.971,-23.634 -37.971,-24.192 -37.879,-24.284 -37.879,-24.487 -37.949,-24.557
  Top Layer w0.25: C38.1@-40.833,-32.255 -40.833,-30.857 -40.356,-30.38 v1(-38.563,-30.38) ; D20.1@-32.877,-27.686 -32.787,-27.686 -32.043,-26.942 v1(-32.043,-26.05) ; v1(-30.751,-24.129) -29.909,-24.129 -29.399,-24.639 TVS31.1@-29.399,-24.81
  SIG03 w0.25: v1(-32.043,-26.05) -32.043,-24.967 -31.205,-24.129 v1(-30.751,-24.129)
  Bottom Layer w0.2: C24.2@-24.313,-19.021 F8.2@-24.313,-16.598
  Bottom Layer w0.25: -41.241,-24.383 v1(-40.569,-24.383) ; -41.241,-24.309 -41.241,-25.111 R31.2@-41.214,-25.139 ; -41.241,-24.255 -41.241,-23.706 R30.2@-41.214,-23.679 ; v1(-38.563,-30.38) -38.037,-30.38 -36.19,-28.533 U3.14@-36.19,-27.66 ; U3.8@-33.485,-25.984 -31.185,-25.984 C36.1@-30.22,-26.949
  other v1: -30.678,-36.266 -30.715,-35.533 -19.821,-24.171 -20.08,-23.676 -20.714,-23.647 -25.836,-22.818 -25.061,-22.821 -24.236,-22.821 -26.801,-22.147 -26.039,-22.102 -36.676,-14.486 -35.872,-14.486 -35.068,-14.486 -34.264,-14.486 -33.46,-14.486 -32.656,-14.486 -31.852,-14.486 -31.048,-14.486 -30.245,-14.486 -29.441,-14.486 -28.637,-14.486
  other v2: -36.844,-36.718 -36.344,-35.718 -35.344,-35.718 -34.344,-35.718 -33.344,-35.718 -35.844,-34.718 -34.844,-34.718 -33.844,-34.718 -34.344,-33.718 -34.844,-32.718 -33.844,-32.718 -29.844,-22.718
  other v3: -25.819,-20.325 -25.268,-19.783 -24.713,-17.508 -23.703,-17.508
N9: C20.2 C25.2 C31.2 C32.1 D209.2 D210.1 F9.2 R23.1 R34.2 TVS20.2 U2.12 U3.5 | length 5.5
  Top Layer w0.2: v1(-28.079,-29.445) -28.021,-29.388 -28.021,-29.301 -27.406,-28.686 TVS20.2@-27.025,-28.686
  Bottom Layer w0.2: C31.2@-28.953,-19.044 -28.953,-16.621 ; R34.2@-28.775,-29.722 -28.498,-29.445 -27.589,-29.445 R23.1@-27.312,-29.722
  other v1: -22.628,-30.14 -22.628,-29.675 -22.628,-29.209 -34.155,-22.857 -33.319,-22.818 -32.501,-22.818 -32.229,-22.099
  other v3: -27.964,-17.508 -26.954,-17.508
N10: C32.2 C33.1 D210.2 D211.1 F10.2 U3.4 | length 2.4
  Bottom Layer w0.2: C32.2@-31.376,-19.021 F10.2@-31.376,-16.598
  other v1: -34.957,-22.434 -34.325,-21.881 -33.606,-21.873
  other v3: -32.94,-20.325 -32.389,-19.783 -31.893,-17.508 -30.883,-17.508
N11: C33.2 C34.1 D211.2 D212.1 F11.2 U3.3 | length 2.4
  Bottom Layer w0.2: C33.2@-34.026,-19.021 F11.2@-34.026,-16.598
  other v1: -35.859,-22.307 -36.43,-21.881 -37.134,-21.855
  other v3: -35.59,-20.325 -35.039,-19.783 -34.325,-17.508 -33.314,-17.508
N12: C34.2 C35.1 C40.1 C41.1 C46.1 C48.1 D30.1 D212.2 D213.1 F12.2 R40.2 R41.2 TVS31.2 TVS40.1 TVS41.1 U3.2 U4.8 U4.14 | length 24.6
  Top Layer w0.2: C48.1@-53.286,-32.461 C48.1@-53.284,-32.458 ; v1(-52.779,-24.401) -51.68,-24.401 -51.499,-24.582 -50.267,-24.582 -50.109,-24.74 ; D30.1@-45.317,-27.699 -45.226,-27.699 -44.218,-26.691 v1(-44.218,-26.037) ; v1(-43.044,-23.94) -42.202,-23.94 -41.667,-24.475 TVS41.1@-41.667,-24.809
  Top Layer w0.25: C48.1@-53.159,-32.257 -53.159,-30.857 -52.674,-30.371 v1(-50.906,-30.371)
  SIG03 w0.2: v1(-44.218,-26.037) -44.218,-25.115 v1(-43.044,-23.94)
  Bottom Layer w0.2: R40.2@-53.516,-23.678 R40.2@-53.515,-23.679 -53.515,-24.409 ; R41.2@-53.515,-25.139 -53.515,-24.409 ; v1(-52.779,-24.401) -53.506,-24.401 -53.515,-24.409 ; U4.8@-45.906,-25.984 -43.686,-25.984 C46.1@-42.721,-26.949 ; C34.2@-36.676,-19.021 F12.2@-36.676,-16.598
  Bottom Layer w0.25: v1(-50.906,-30.371) -50.451,-30.371 -48.61,-28.531
  other v1: -32.503,-24.205 -33.29,-23.676 -32.613,-23.647 -38.256,-22.818 -37.482,-22.821 -36.656,-22.821 -39.222,-22.147 -46.969,-14.486 -46.165,-14.486 -45.361,-14.486 -44.557,-14.486 -43.754,-14.486 -42.95,-14.486 -42.146,-14.486 -41.342,-14.486 -40.538,-14.486 -39.734,-14.486
  other v2: -48.844,-36.718 -42.844,-36.718 -48.344,-35.718 -47.344,-35.718 -46.344,-35.718 -45.344,-35.718 -47.844,-34.718 -46.844,-34.718 -45.844,-34.718 -47.344,-33.718 -46.344,-33.718 -46.844,-32.718 -45.844,-32.718 -42.844,-22.718 -41.844,-22.718
  other v3: -38.24,-20.325 -37.689,-19.783 -37.5,-17.508 -36.49,-17.508
N13: C30.2 C35.2 C41.2 C42.1 D213.2 D214.1 F13.2 R33.1 R44.2 TVS30.2 U3.12 U4.5 | length 5.7
  Top Layer w0.25: v1(-40.417,-29.745) -40.37,-29.697 -40.37,-29.41 -39.645,-28.686 TVS30.2@-39.264,-28.686
  Bottom Layer w0.2: C35.2@-39.326,-19.021 F13.2@-39.326,-16.598
  Bottom Layer w0.25: R44.2@-41.229,-29.722 -41.206,-29.745 -39.725,-29.745 R33.1@-39.702,-29.722
  other v1: -35.049,-30.14 -35.049,-29.675 -35.049,-29.209 -46.575,-22.857 -45.739,-22.818 -44.921,-22.818 -44.65,-22.099
  other v3: -40.867,-17.441 -39.857,-17.441
N14: C42.2 C43.1 D214.2 D215.1 F14.2 U4.4 | length 2.4
  Bottom Layer w0.2: C42.2@-43.784,-19.021 F14.2@-43.784,-16.598
  other v1: -47.378,-22.434 -46.745,-21.881 -46.026,-21.873
  other v3: -45.36,-20.325 -44.809,-19.783 -44.103,-17.441 -43.093,-17.441
N15: C43.2 C44.1 D215.2 D216.1 F15.2 U4.3 | length 2.4
  Bottom Layer w0.2: C43.2@-46.434,-19.021 F15.2@-46.434,-16.598
  other v1: -48.279,-22.307 -48.851,-21.881 -49.554,-21.855
  other v3: -48.01,-20.325 -47.459,-19.783 -47.007,-17.441 -45.997,-17.441
N16: C1.1 C4.1 C7.1 C8.1 C9.1 C44.2 D2.1 D40.1 D216.2 D217.1 F16.2 R3.2 R50.2 TVS1.1 TVS41.2 U4.2 U5.8 U5.14 | length 23.8
  Top Layer w0.2: -63.372,-24.818 -63.15,-24.596 v1(-63.15,-23.807)
  Top Layer w0.25: C4.1@-65.91,-32.257 -65.91,-31.402 -65.54,-31.031 ; -65.692,-31.183 -65.54,-31.031 ; v1(-63.561,-30.373) -64.881,-30.373 -65.54,-31.031 ; D40.1@-57.237,-27.746 -57.147,-27.746 -56.506,-27.105 v1(-56.506,-26.024) ; v1(-55.274,-24.034) -54.5,-24.034 -53.99,-24.544 D2.1@-53.99,-24.809
  SIG03 w0.25: v1(-56.506,-26.024) -56.506,-25.182 -55.358,-24.034 v1(-55.274,-24.034)
  Bottom Layer w0.2: C44.2@-49.084,-19.021 F16.2@-49.084,-16.598
  Bottom Layer w0.25: R3.2@-66.276,-25.139 -66.276,-24.409 ; R50.2@-66.276,-23.679 -66.276,-24.409 ; v1(-65.542,-24.431) -66.254,-24.431 -66.276,-24.409 ; v1(-63.561,-30.373) -63.105,-30.373 -61.265,-28.532 U5.14@-61.265,-27.662 ; U5.8@-58.56,-25.985 -56.022,-25.985 C8.1@-55.059,-26.949
  other v1: -58.813,-37.481 -58.099,-37.434 -54.677,-37.284 -58.038,-36.718 -54.677,-36.535 -61.635,-35.898 -63.495,-35.453 -63.535,-34.718 -44.854,-24.258 -45.711,-23.647 -45.048,-23.647 -50.677,-22.818 -49.902,-22.821 -49.077,-22.821 -51.642,-22.147 -59.573,-14.472 -58.604,-14.472 -57.635,-14.472 -56.665,-14.472 -55.696,-14.472 -54.727,-14.472 -53.757,-14.472 -52.788,-14.472 -51.819,-14.472 -50.85,-14.472 -49.88,-14.472 -48.911,-14.472
  other v2: -61.844,-36.718 -58.844,-36.718 -59.344,-33.718 -58.344,-33.718 -59.844,-32.718 -58.844,-32.718 -54.844,-22.718
  other v3: -50.66,-20.325 -50.109,-19.783 -49.758,-17.441 -48.892,-17.441
N17: C6.1 C7.2 C9.2 C40.2 D217.2 D218.1 F17.2 R4.2 R6.1 TVS40.2 U4.12 U5.5 | length 3.4
  Top Layer w0.2: v1(-52.814,-29.722) -52.757,-29.665 -52.757,-29.562 -51.993,-28.799 -51.89,-28.799 -51.608,-28.516 TVS40.2@-51.608,-28.42
  Bottom Layer w0.2: R4.2@-53.516,-29.722 -52.779,-29.722 -52.814,-29.687 v1(-52.814,-29.722) R6.1@-52.107,-29.722
  other v1: -47.469,-30.14 -47.469,-29.675 -47.469,-29.209 -59.23,-22.858 -58.394,-22.819 -57.576,-22.819 -57.304,-22.101
  other v3: -52.029,-17.508 -51.019,-17.508